# Altium PCB stm32f767igt6.PcbDoc
Units mil, origin at the board's own origin, x right, y up, seen from the top; angles counter-clockwise.
Board outline 4635 x 2345 mil, 4 copper layers (Top Layer, VCC, GND, Bottom Layer); 163 components, 205 nets, 815 pads, 15 vias.
Unrouted connection lines stored in the file: 270.
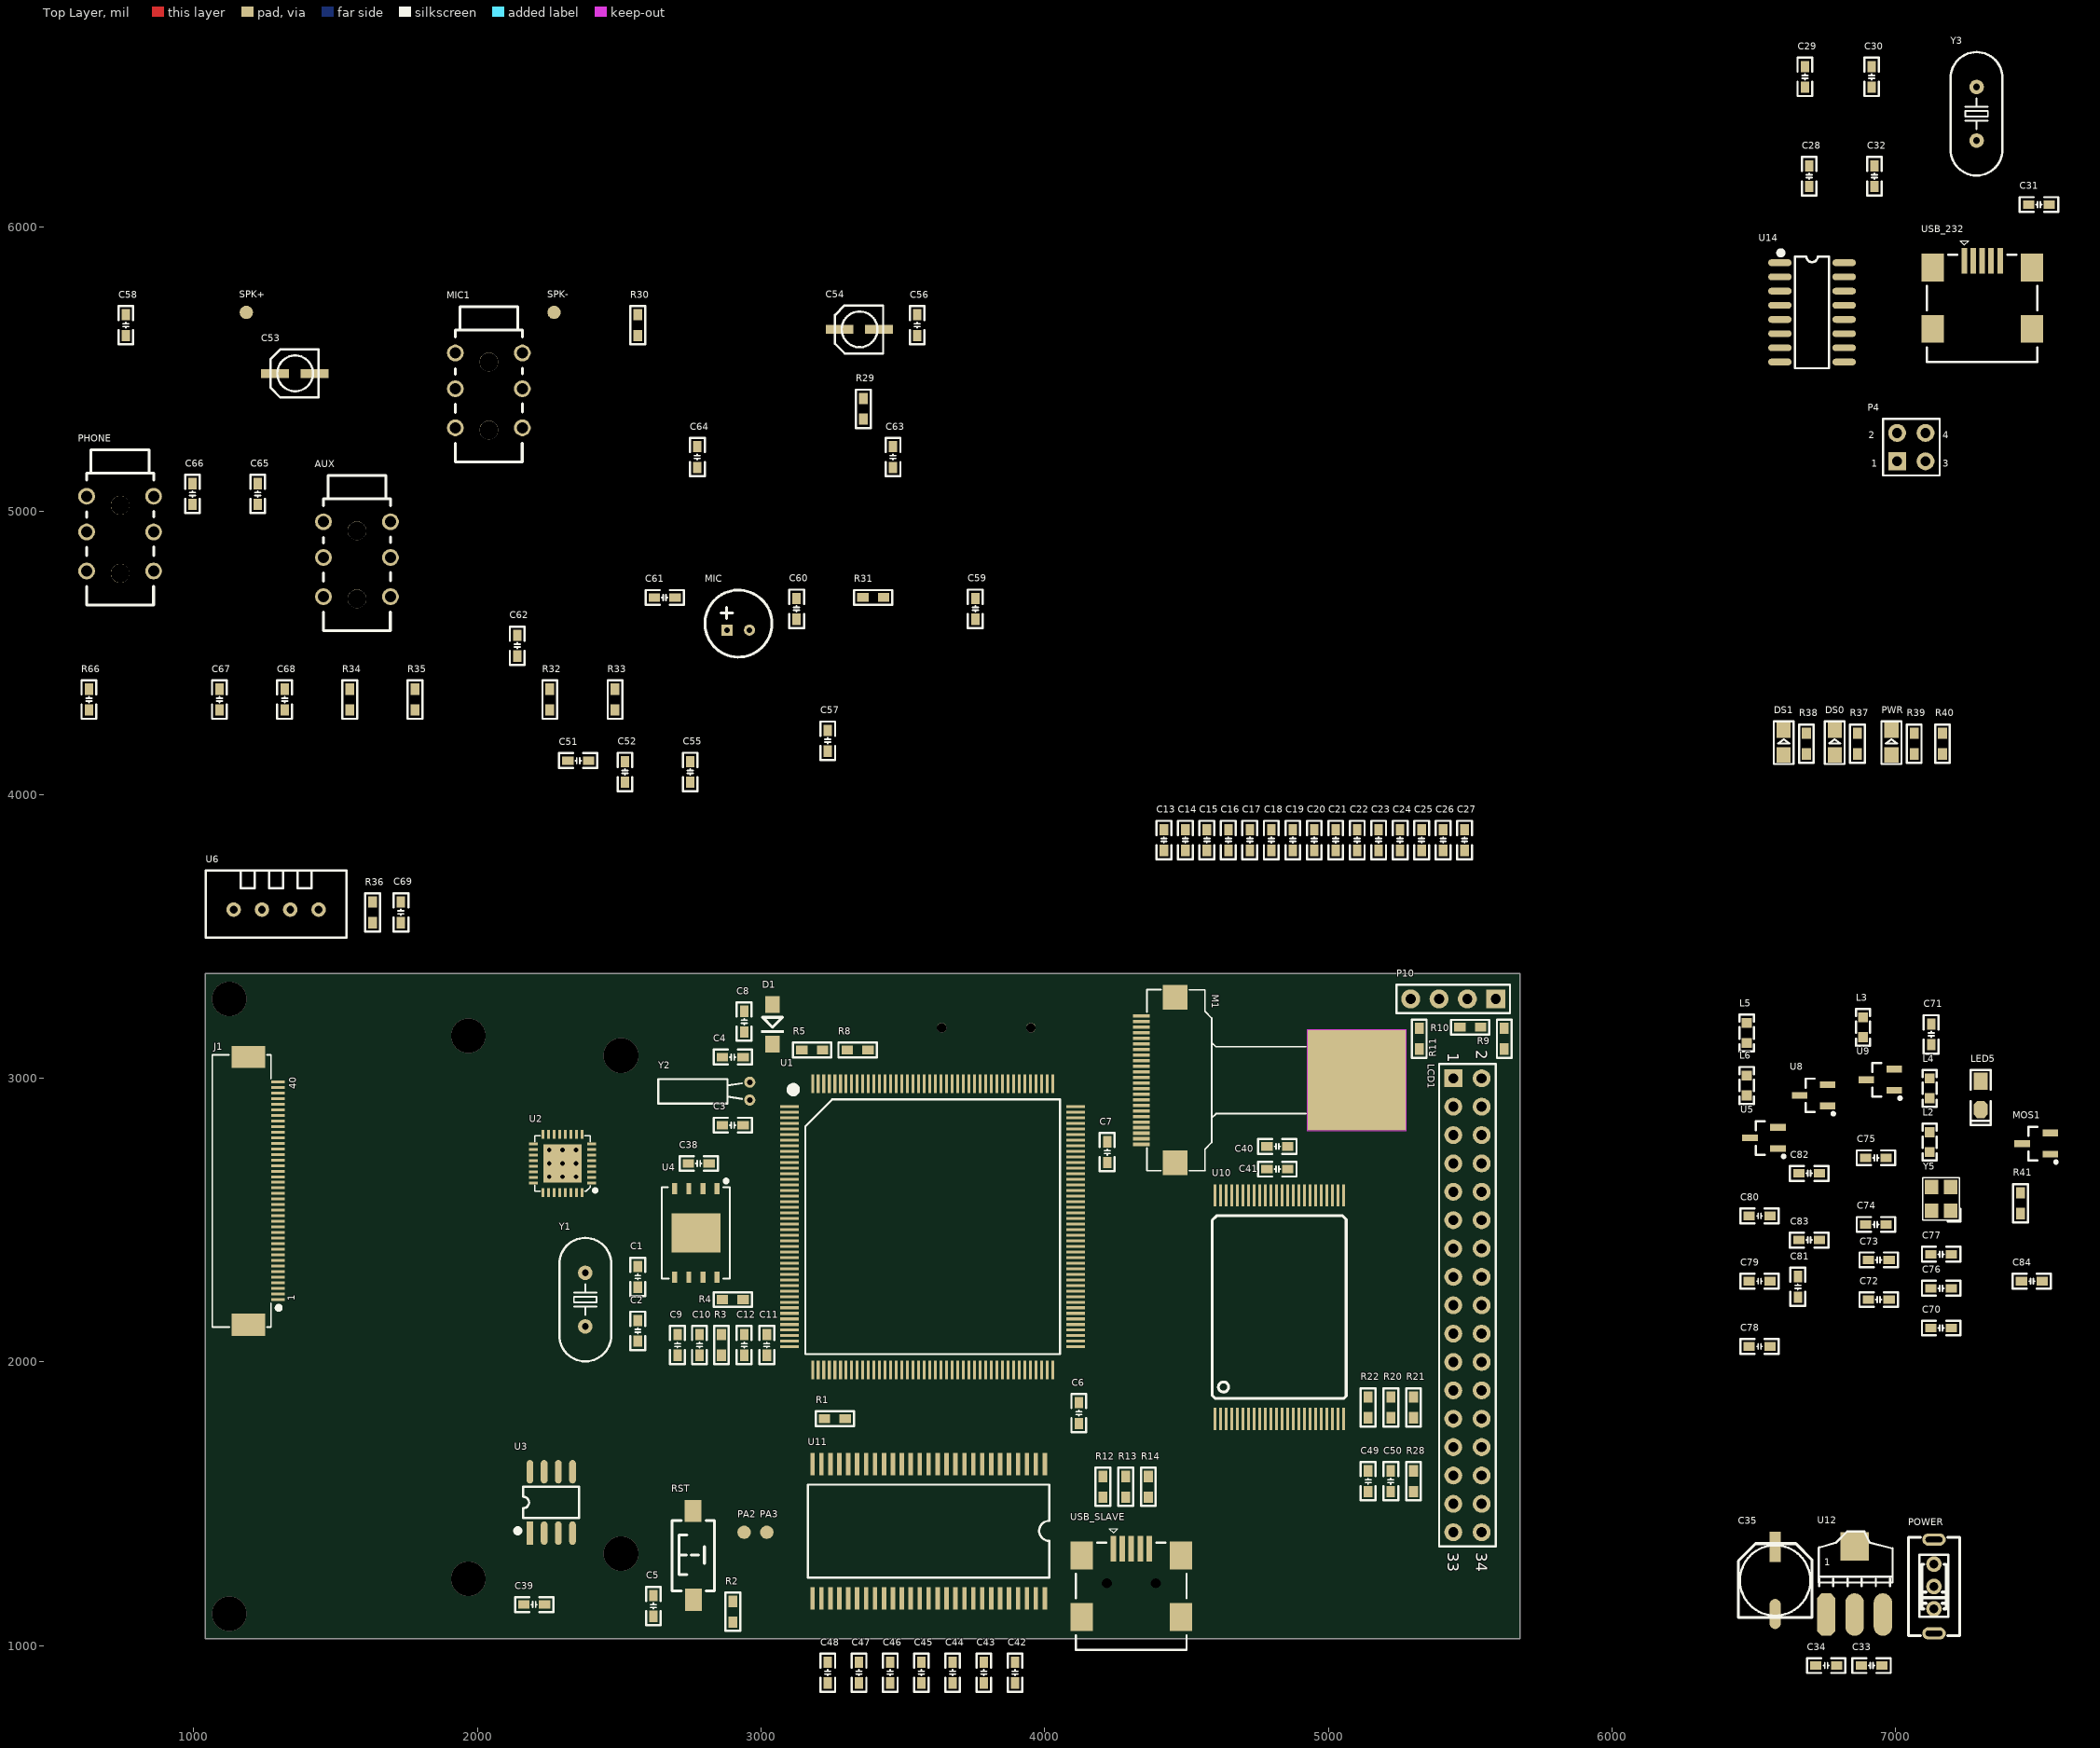
[diagram p0: Top Layer view]
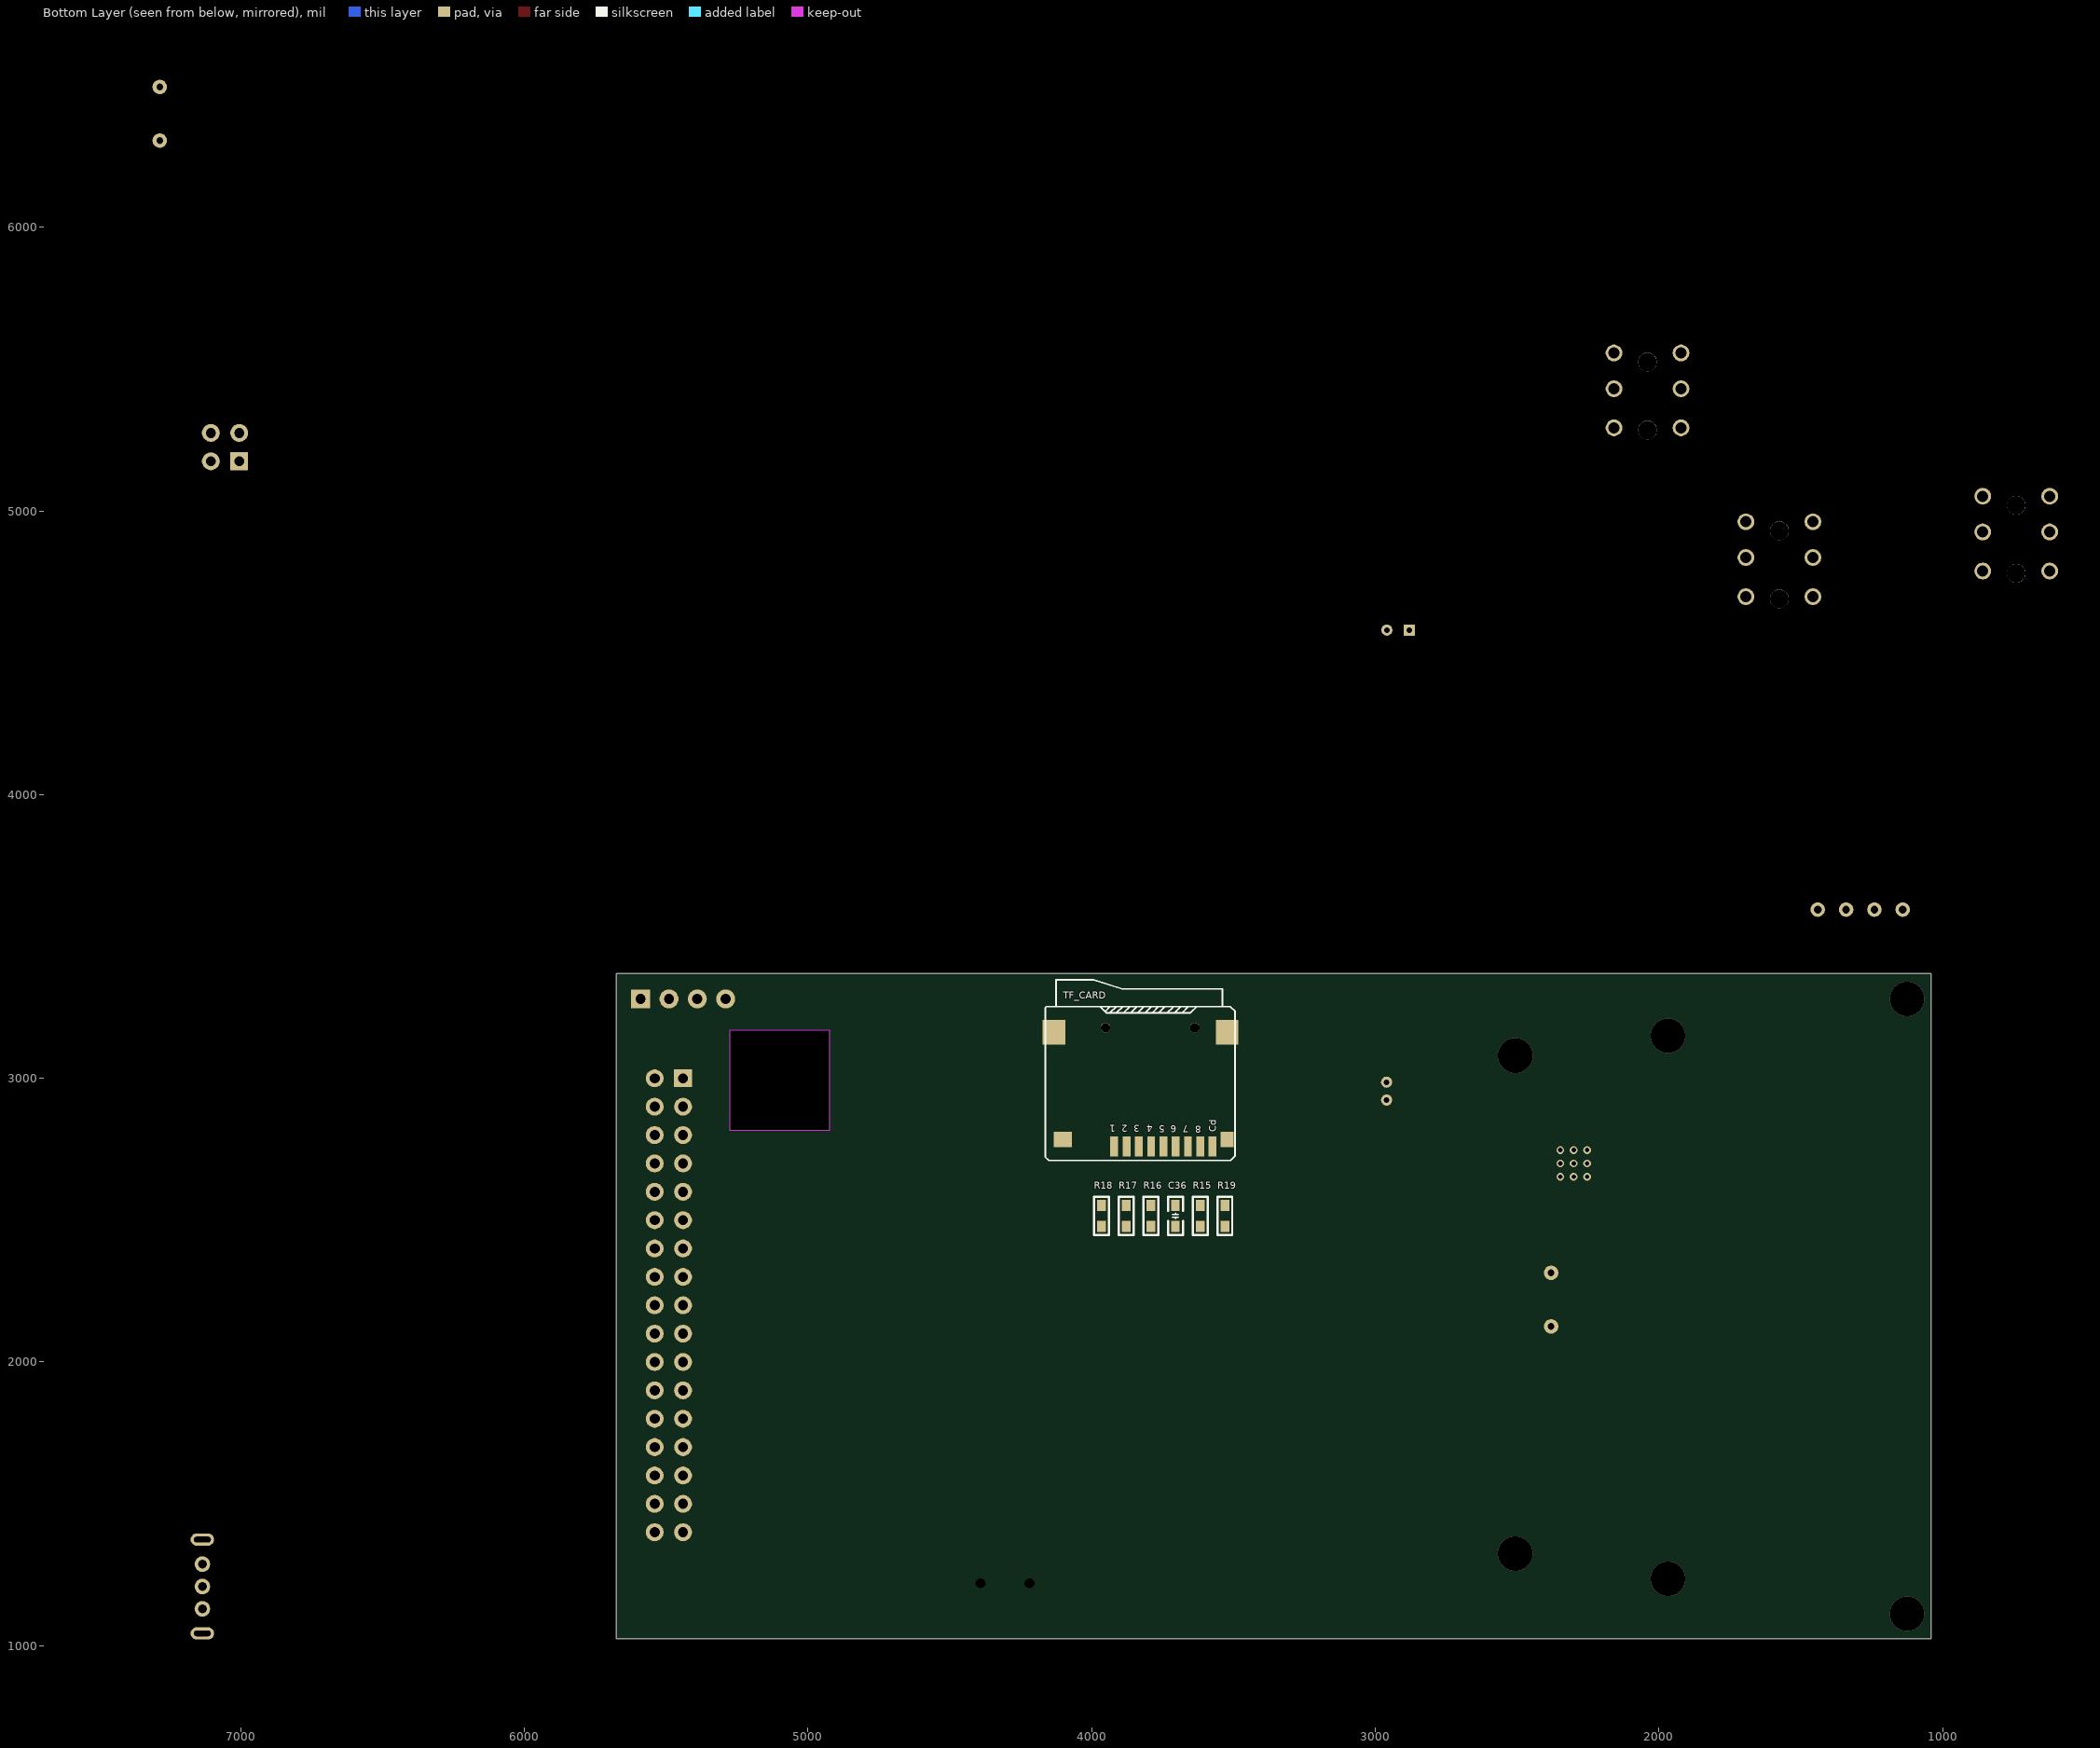
[diagram p1: Bottom Layer view, seen from below]

## Layer stack, top to bottom
Top Layer: signal copper 1.4
Dielectric: core 12.6, FR-4, Dk 4.8
VCC: signal copper 1.4
Dielectric: prepreg 12.6, FR-4, Dk 4.8
GND: signal copper 1.4
Dielectric: core 12.6, FR-4, Dk 4.8
Bottom Layer: signal copper 1.4

## Board outline
1040,3370 1040,1025 5675,1025 5675,3370
cut-out: 4925,3170 4925,2815 5275,2815 5275,3170

## Design rules (kind name [scope] priority, off if disabled: settings)
Clearance [All] p1: gap=6
ComponentClearance [All] p1 off: gap=10 collisioncheckmode=3 verticalgap=10 showdistances=FALSE
HoleToHoleClearance [All] p1: gap=6 allowstackedmicrovias=TRUE
MinimumSolderMaskSliver [All] p1: minsoldermaskwidth=0
PolygonConnect [All] p1: connectstyle=Relief reliefconductorwidth=10 reliefentries=4 polygonreliefangle="90 Angle"
RoutingVias [All] p1: holewidth=28 width=50 viastyle="Through Hole" minholewidth=28 minwidth=50 maxholewidth=28 maxwidth=50
SilkToSilkClearance [All] p1: silktosilkclearance=2
SilkscreenOverComponentPads [All] p1: minsilkscreentomaskgap=0
SolderMaskExpansion [All] p1: expansion=4
TestPointUsage [All] p1: valid=0 allowmultiple=FALSE
Testpoint [All] p1: side=15 testpointundercomponent=TRUE minsize=40 maxsize=100 preferedsize=60 minholesize=0 maxholesize=40 preferedholesize=32 testpointgrid=1 style=1023 order=0123456789
Width [All] p1: maxlimit=10 minlimit=10 preferedwidth=10
19 further rules are at their usual default settings.

## Components (designator, comment, footprint, x,y, rotation, side; value= is the part's Value field where it differs from the comment)
AUX "AUX" PHONE_ST 1575,4830 r90 top
C1 "22pF" "C 0603_M" 2565,2300 r90 top
C2 "22pF" "C 0603_M" 2565,2110 r90 top
C3 "6pF" "C 0603_M" 2900,2835 r0 top
C4 "6pF" "C 0603_M" 2900,3075 r0 top
C5 "104" "C 0603_M" 2620,1140 r90 top
C6 "225" "C 0603_M" 4120,1820 r90 top
C7 "225" "C 0603_M" 4220,2740 r90 top
C8 "104" "C 0603_M" 2940,3200 r270 top
C9 "104" "C 0603_M" 2705,2060 r90 top
C10 "10uF" "C 0603_M" 2782.5,2060 r90 top
C11 "104" "C 0603_M" 3020,2060 r270 top
C12 "10uF" "C 0603_M" 2940,2060 r270 top
C13 "104" "C 0603_M" 4420,3840 r90 top
C14 "104" "C 0603_M" 4495.71,3840 r90 top
C15 "104" "C 0603_M" 4571.43,3840 r90 top
C16 "104" "C 0603_M" 4647.14,3840 r90 top
C17 "104" "C 0603_M" 4722.86,3840 r90 top
C18 "104" "C 0603_M" 4798.57,3840 r90 top
C19 "104" "C 0603_M" 4874.29,3840 r90 top
C20 "104" "C 0603_M" 4950,3840 r90 top
C21 "104" "C 0603_M" 5025.71,3840 r90 top
C22 "104" "C 0603_M" 5101.43,3840 r90 top
C23 "104" "C 0603_M" 5177.14,3840 r90 top
C24 "104" "C 0603_M" 5252.86,3840 r90 top
C25 "104" "C 0603_M" 5328.57,3840 r90 top
C26 "104" "C 0603_M" 5404.28,3840 r90 top
C27 "104" "C 0603_M" 5480,3840 r90 top
C28 "104" "C 0603_M" 6695,6180 r90 top
C29 "22" "C 0603_M" 6680,6530 r90 top
C30 "22" "C 0603_M" 6915,6530 r90 top
C31 "10uF" "C 0603_M" 7505,6080 r0 top
C32 "104" "C 0603_M" 6925,6180 r90 top
C33 "104" "C 0603_M" 6915,930 r0 top
C34 "104" "C 0603_M" 6755,930 r0 top
C35 "220uF" "CT 6*6 - C" 6575,1230 r90 top
C36 "104" "C 0603_M" 3704,2515 r270 bottom
C38 "104" "C 0603_M" 2780,2700 r180 top
C39 "104" "C 0603_M" 2200,1145 r180 top
C40 "104" "C 0603_M" 4820,2760 r180 top
C41 "104" "C 0603_M" 4820,2680 r180 top
C42 "104" "C 0603_M" 3895,905 r270 top
C43 "104" "C 0603_M" 3785,905 r270 top
C44 "104" "C 0603_M" 3675,905 r270 top
C45 "104" "C 0603_M" 3565,905 r270 top
C46 "104" "C 0603_M" 3455,905 r270 top
C47 "104" "C 0603_M" 3345,905 r270 top
C48 "104" "C 0603_M" 3235,905 r270 top
C49 "104" "C 0603_M" 5140,1580 r90 top
C50 "104" "C 0603_M" 5220,1580 r270 top
C51 "104" "C 0603_M" 2355,4120 r0 top
C52 "10uF" "C 0603_M" 2520,4080 r90 top
C53 "220uF" cc4*5.4 1440,5400 r0 top
C54 "220uF" cc4*5.4 3430,5555 r0 top
C55 "104" "C 0603_M" 2750,4080 r90 top
C56 "10uF" "C 0603_M" 3550,5655 r90 top
C57 "104" "C 0603_M" 3235,4190 r90 top
C58 "10uF" "C 0603_M" 760,5655 r90 top
C59 "1uF" "C 0603_M" 3755,4655 r90 top
C60 "1uF" "C 0603_M" 3125,4655 r90 top
C61 "1uF" "C 0603_M" 2660,4695 r0 top
C62 "1uF" "C 0603_M" 2140,4525 r90 top
C63 "1uF" "C 0603_M" 3465,5190 r90 top
C64 "1uF" "C 0603_M" 2775,5190 r90 top
C65 "104" "C 0603_M" 1225,5060 r90 top
C66 "104" "C 0603_M" 995,5060 r90 top
C67 "10uF" "C 0603_M" 1090,4335 r90 top
C68 "10uF" "C 0603_M" 1320,4335 r90 top
C69 "104" "C 0603_M" 1730,3585 r90 top
C70 "104" "C 0603_M" 7160,2120 r180 top
C71 "1uF" "C 0603_M" 7125,3155 r90 top
C72 "10uF" "C 0603_M" 6940,2220 r180 top
C73 "104" "C 0603_M" 6940,2360 r180 top
C74 "10uF" "C 0603_M" 6930,2485 r180 top
C75 "104" "C 0603_M" 6930,2720 r180 top
C76 "10uF" "C 0603_M" 7160,2260 r180 top
C77 "104" "C 0603_M" 7160,2380 r180 top
C78 "1uF" "C 0603_M" 6520,2055 r180 top
C79 "10uF" "C 0603_M" 6520,2285 r180 top
C80 "104" "C 0603_M" 6520,2515 r180 top
C81 "1uF" "C 0603_M" 6655,2265 r90 top
C82 "104" "C 0603_M" 6695,2665 r180 top
C83 "10uF" "C 0603_M" 6695,2430 r180 top
C84 "1uF" "C 0603_M" 7480,2285 r180 top
D1 "1N4148" DIODE_SOP 3040,3260 r270 top
DS0 "LED1" SMDLED 6785,4140 r90 top
DS1 "LED1" SMDLED 6605,4140 r90 top
J1 "RGBLCD" FPC-TOP40 1300,2220 r90 top
L2 "3.3uH" "L 0603" 7120,2775 r90 top
L3 "3.3uH" "L 0603" 6885,3180 r90 top
L4 "3.3uH" "L 0603" 7120,2965 r90 top
L5 "3.3uH" "L 0603" 6475,3160 r90 top
L6 "FB-600R" "L 0603" 6475,2975 r90 top
LCD1 "TFT_LCD1" HDR2.54-LI-2x17P 5490.24,2200.08 r270 top locked
LED5 "LED" "LED 0805R" 7300,2940 r270 top
M1 "OV5640" OV5640-24 4340,3220 r270 top locked
MIC "MIC" MIC-6022 2880,4580 r0 top
MIC1 "MIC1" PHONE_ST 2040,5425 r90 top
MOS1 "SI2302" SOT23-3M 7545,2770 r90 top
P4 "USART1" HDR2.54-LI-2x2P 7055,5225 r0 top
P10 "Header 4" HDR2.54-LI-4P 5440,3280 r180 top
PA2 "TEST POINT" TP-1.5 2940,1400 r270 top
PA3 "TEST POINT" TP-1.5 3020,1400 r270 top
PHONE "PHONE" PHONE_ST 740,4920 r90 top
POWER "BUTTON_DIP3" BTN8.8*4.6 7135,1130 r90 top
PWR "SYS" SMDLED 6985,4140 r90 top
R1 "10K" "R 0603_M" 3260,1800 r0 top
R2 "10K" "R 0603_M" 2900,1120 r90 top
R3 "10R" "R 0603_M" 2860,2060 r90 top
R4 "10R" "R 0603_M" 2900,2220 r180 top
R5 "0R" "R 0603_M" 3180,3100 r180 top
R8 "10K" "R 0603_M" 3340,3100 r180 top
R9 "10K" "R 0603_M" 5620,3140 r90 top
R10 "10K" "R 0603_M" 5500,3180 r0 top
R11 "10K" "R 0603_M" 5320,3140 r270 top
R12 "10R" "R 0603_M" 4205,1560 r90 top
R13 "1.5K" "R 0603_M" 4285,1560 r270 top
R14 "10R" "R 0603_M" 4365,1560 r270 top
R15 "47K" "R 0603_M" 3617,2515 r270 bottom
R16 "47K" "R 0603_M" 3791,2515 r270 bottom
R17 "47K" "R 0603_M" 3878,2515 r270 bottom
R18 "47K" "R 0603_M" 3965,2515 r270 bottom
R19 "47K" "R 0603_M" 3530,2515 r270 bottom
R20 "0R" "R 0603_M" 5220,1840 r90 top
R21 "10K" "R 0603_M" 5300,1840 r270 top
R22 "10K" "R 0603_M" 5140,1840 r90 top
R28 "4.7K" "R 0603_M" 5300,1580 r270 top
R29 "0R" "R 0603_M" 3360,5360 r90 top
R30 "10R" "R 0603_M" 2565,5655 r90 top
R31 "0R" "R 0603_M" 3395,4695 r0 top
R32 "10K" "R 0603_M" 2255,4335 r90 top
R33 "680R" "R 0603_M" 2485,4335 r90 top
R34 "47K" "R 0603_M" 1550,4335 r90 top
R35 "0R" "R 0603_M" 1780,4335 r90 top
R36 "4.7K" "R 0603_M" 1630,3585 r270 top
R37 "510R" "R 0603_M" 6865,4180 r90 top
R38 "510R" "R 0603_M" 6685,4180 r90 top
R39 "510R" "R 0603_M" 7065,4180 r90 top
R40 "100K" "R 0603_M" 7165,4180 r90 top
R41 "10K" "R 0603_M" 7440,2560 r90 top
R66 "221" "C 0603_M" 630,4335 r90 top
RST "KEY_M" "TSW SMD-3*6*2.5" 2760,1320 r90 top
SPK+ "SPK" TP-1.5 1185,5700 r90 top
SPK- "SPK" TP-1.5 2270,5700 r90 top
TF_CARD "SD-MICRO-TF" SD-MICRO-TF 3920,2760 r0 bottom locked
U1 "STM32F767IGT6" LQFP176 3100,2900 r0 top locked
U2 "WM8978" qfn32 2300,2700 r180 top
U3 "24C02" SOP8_M 2260,1505 r90 top
U4 "W25Q256" WSON8 2770,2455 r270 top
U5 "XC6206P152MR" SOT23-3M 6585,2790 r90 top
U6 "DHT11&DS18B20" DHT11 1440,3595 r180 top
U8 "XC6206P152MR" SOT23-3M 6760,2940 r90 top
U9 "XC6206P152MR" SOT23-3M 6995,2995 r90 top
U10 "MT29F4G08" TSOP48 4600,1800 r90 top
U11 "W9825G6KH-6" TSOP54 4000,1640 r270 top
U12 "AMS1117-3.3" AMS1117 6755,1110 r0 top
U14 "CH340G" SOP16_M 6705,5700 r0 top
USB_232 "USB" USB-MINI-A 7305,5760 r0 top
USB_SLAVE "USB" USB-MINI-A 4305,1220 r0 top
Y1 "25MHz" "OSC HC-49S" 2380,2220 r90 top
Y2 "32.768K" OSC-2x6-WI-A 2960,2955 r90 top
Y3 "12MHz" "OSC HC-49S" 7285,6400 r90 top
Y5 "24.000Mhz" "OSC 3225-4P" 7160,2575 r90 top

## Footprints (in the part's own frame and the unit in brackets; to place one, negate y for a bottom-side part, rotate by r counter-clockwise, add the part's x,y. Pads: shape width x height; smd on the part's side, far side on the other; paste and mask are expansions set on the pad)
AMS1117 [mil]
  oct 65x150 smd: 1(0.03,-0.06)
  oval 65x150 smd: 2(100.03,-0.06) 3(200.03,-0.06)
  rect 100x100 smd: 4(100.03,239.94)
  silkscreen extent -26,100 234,293
BTN8.8*4.6 [mm]
  round 1.4 hole 0.8: 1(0,0) 2(2,0) 3(4,0)
  oval 1.1x2.1 hole 0.5 slot 1.5 at 90 deg: 4(-2.2,0) 5(6.2,0)
  silkscreen extent -2.4,-2.3 6.4,2.3, body extent -2.4,-2.3 6.4,2.27, height 6.5
"C 0603_M" [mil] "无极性贴片电容"
  rect 40x30 smd: 1(-36.5,0) 2(36.5,0)
  silkscreen extent -68,-26 68,26, body extent -31,-16 31,16, height 32
cc4*5.4 [mm]
  rect 2.5x0.8 smd: 1(-3.9,2.15) 2(-0.381,2.15)
  silkscreen extent -4.3,0 0,4.3
"CT 6*6 - C" [mm] "直径6mm，高6mm"
  rect 2.7x1 smd: 1(3,0)
  oval 2.7x1 smd: 2(-3,0)
  silkscreen extent -3.3,-3.3 3.3,3.3, body extent -3.5,-3.15 3.5,3.15, height 6
DHT11 [mm]
  round 1.3 hole 0.7: 1(0,0) 2(2.54,0) 3(5.08,0) 4(7.62,0)
  silkscreen extent -2.5,-3.5 10.12,2.5
DIODE_SOP [mm]
  rect 1.5x1.3 smd: 1(0,0) 2(3.556,0)
  silkscreen extent 1.14,-1.02 2.56,1.02
FPC-TOP40 [mm]
  rect 0.25x1.2 smd: 1(0,0.102) 2(0.5,0.102) 3(1,0.102) 4(1.5,0.102) 5(2,0.102) 6(2.5,0.102) 7(3,0.102) 8(3.5,0.102) 9(4,0.102) 10(4.5,0.102) 11(5,0.102) 12(5.5,0.102) 13(6,0.102) 14(6.5,0.102) 15(7,0.102) 16(7.5,0.102) 17(8,0.102) 18(8.5,0.102) 19(9,0.102) 20(9.5,0.102) 21(10,0.102) 22(10.5,0.102) 23(11,0.102) 24(11.5,0.102) 25(12,0.102) 26(12.5,0.102) 27(13,0.102) 28(13.5,0.102) 29(14,0.102) 30(14.5,0.102) 31(15,0.102) 32(15.5,0.102) 33(16,0.102) 34(16.5,0.102) 35(17,0.102) 36(17.5,0.102) 37(18,0.102) 38(18.5,0.102) 39(19,0.102) 40(19.5,0.102)
  rect 2x3 smd: A(-2.25,2.754) B(21.725,2.754)
  silkscreen extent -2.45,-0.15 21.92,5.97
HDR2.54-LI-2x2P [mm] "双排排针，2x2脚"
  rect 1.6x1.6 hole 0.9: 1(-1.27,-1.27)
  round 1.6 hole 0.9: 2(-1.27,1.27) 3(1.27,-1.27) 4(1.27,1.27)
  silkscreen extent -2.54,-2.54 2.54,2.54, body extent -2.54,-2.54 2.54,2.54, height 8.5
HDR2.54-LI-2x17P [mm] "双排排针，17x2脚"
  rect 1.6x1.6 hole 0.9: 1(-20.32,-1.27)
  round 1.6 hole 0.9: 2(-20.32,1.27) 3(-17.78,-1.27) 4(-17.78,1.27) 5(-15.24,-1.27) 6(-15.24,1.27) 7(-12.7,-1.27) 8(-12.7,1.27) 9(-10.16,-1.27) 10(-10.16,1.27) 11(-7.62,-1.27) 12(-7.62,1.27) 13(-5.08,-1.27) 14(-5.08,1.27) 15(-2.54,-1.27) 16(-2.54,1.27) 17(0,-1.27) 18(0,1.27) 19(2.54,-1.27) 20(2.54,1.27) 21(5.08,-1.27) 22(5.08,1.27) 23(7.62,-1.27) 24(7.62,1.27) 25(10.16,-1.27) 26(10.16,1.27) 27(12.7,-1.27) 28(12.7,1.27) 29(15.24,-1.27) 30(15.24,1.27) 31(17.78,-1.27) 32(17.78,1.27) 33(20.32,-1.27) 34(20.32,1.27)
  silkscreen extent -21.59,-2.54 21.59,2.54, body extent -21.59,-2.54 21.59,2.54, height 8.5
HDR2.54-LI-4P [mm] "排针，4脚"
  rect 1.7x1.7 hole 0.9: 1(-3.81,0)
  round 1.7 hole 0.9: 2(-1.27,0) 3(1.27,0) 4(3.81,0)
  silkscreen extent -5.08,-1.27 5.08,1.27, body extent -5.08,-1.27 5.08,1.27, height 8.5
"L 0603" [mil] "小功率贴片电感"
  rect 35x35 smd: 1(-35,0) 2(35,0)
  silkscreen extent -65,-25 65,25, body extent -31,-16 31,16, height 31
"LED 0805R" [mil] "红色0805LED"
  rect 60x50 smd: 1(-50,0)
  oct 60x50 smd: 2(50,0)
  silkscreen extent -90,-35 105,35, body extent -39,-25 39,25, height 32
LQFP176 [mm]
  rect 1.65x0.254 smd: 1(0,0) 2(0,-0.5) 3(0,-1) 4(0,-1.5) 5(0,-2) 6(0,-2.5) 7(0,-3) 8(0,-3.5) 9(0,-4) 10(0,-4.5) 11(0,-5) 12(0,-5.5) 13(0,-6) 14(0,-6.5) 15(0,-7) 16(0,-7.5) 17(0,-8) 18(0,-8.5) 19(0,-9) 20(0,-9.5) 21(0,-10) 22(0,-10.5) 23(0,-11) 24(0,-11.5) 25(0,-12) 26(0,-12.5) 27(0,-13) 28(0,-13.5) 29(0,-14) 30(0,-14.5) 31(0,-15) 32(0,-15.5) 33(0,-16) 34(0,-16.5) 35(0,-17) 36(0,-17.5) 37(0,-18) 38(0,-18.5) 39(0,-19) 40(0,-19.5) 41(0,-20) 42(0,-20.5) 43(0,-21) 44(0,-21.5) 89(25.631,-21.5) 90(25.631,-21) 91(25.631,-20.5) 92(25.631,-20) 93(25.631,-19.5) 94(25.631,-19) 95(25.631,-18.5) 96(25.631,-18) 97(25.631,-17.5) 98(25.631,-17) 99(25.631,-16.5) 100(25.631,-16) 101(25.631,-15.5) 102(25.631,-15) 103(25.631,-14.5) 104(25.631,-14) 105(25.631,-13.5) 106(25.631,-13) 107(25.631,-12.5) 108(25.631,-12) 109(25.631,-11.5) 110(25.631,-11) 111(25.631,-10.5) 112(25.631,-10) 113(25.631,-9.5) 114(25.631,-9) 115(25.631,-8.5) 116(25.631,-8) 117(25.631,-7.5) 118(25.631,-7) 119(25.631,-6.5) 120(25.631,-6) 121(25.631,-5.5) 122(25.631,-5) 123(25.631,-4.5) 124(25.631,-4) 125(25.631,-3.5) 126(25.631,-3) 127(25.631,-2.5) 128(25.631,-2) 129(25.631,-1.5) 130(25.631,-1) 131(25.631,-0.5) 132(25.631,0)
  rect 0.254x1.65 smd: 45(2.065,-23.566) 46(2.566,-23.566) 47(3.066,-23.566) 48(3.565,-23.566) 49(4.066,-23.566) 50(4.565,-23.566) 51(5.066,-23.566) 52(5.565,-23.566) 53(6.066,-23.566) 54(6.565,-23.566) 55(7.066,-23.566) 56(7.565,-23.566) 57(8.066,-23.566) 58(8.565,-23.566) 59(9.066,-23.566) 60(9.565,-23.566) 61(10.066,-23.566) 62(10.565,-23.566) 63(11.066,-23.566) 64(11.565,-23.566) 65(12.066,-23.566) 66(12.565,-23.566) 67(13.066,-23.566) 68(13.565,-23.566) 69(14.066,-23.566) 70(14.565,-23.566) 71(15.066,-23.566) 72(15.566,-23.566) 73(16.066,-23.566) 74(16.566,-23.566) 75(17.065,-23.566) 76(17.566,-23.566) 77(18.065,-23.566) 78(18.566,-23.566) 79(19.065,-23.566) 80(19.566,-23.566) 81(20.065,-23.566) 82(20.566,-23.566) 83(21.065,-23.566) 84(21.566,-23.566) 85(22.065,-23.566) 86(22.566,-23.566) 87(23.065,-23.566) 88(23.566,-23.566) 133(23.566,2.065) 134(23.065,2.065) 135(22.566,2.065) 136(22.065,2.065) 137(21.566,2.065) 138(21.065,2.065) 139(20.566,2.065) 140(20.065,2.065) 141(19.566,2.065) 142(19.065,2.065) 143(18.566,2.065) 144(18.065,2.065) 145(17.566,2.065) 146(17.065,2.065) 147(16.566,2.065) 148(16.066,2.065) 149(15.566,2.065) 150(15.066,2.065) 151(14.565,2.065) 152(14.066,2.065) 153(13.565,2.065) 154(13.066,2.065) 155(12.565,2.065) 156(12.066,2.065) 157(11.565,2.065) 158(11.066,2.065) 159(10.565,2.065) 160(10.066,2.065) 161(9.565,2.065) 162(9.066,2.065) 163(8.565,2.065) 164(8.066,2.065) 165(7.565,2.065) 166(7.066,2.065) 167(6.565,2.065) 168(6.066,2.065) 169(5.565,2.065) 170(5.066,2.065) 171(4.565,2.065) 172(4.066,2.065) 173(3.565,2.065) 174(3.066,2.065) 175(2.566,2.065) 176(2.065,2.065)
  silkscreen extent 0.04,-22.15 24.22,1.82
MIC-6022 [mm]
  rect 1x1 hole 0.5: 1(0,0)
  round 1 hole 0.5: 2(2,0)
  silkscreen extent -1.98,-2.41 4.01,3.58
"OSC 3225-4P" [mm] "3.2*2.5*0.7mm(长宽高)"
  rect 1.3x1.2 smd: 1(-1.05,-0.85) 2(1.05,-0.85) 3(1.05,0.85) 4(-1.05,0.85)
  silkscreen extent -2.03,-1.75 1.91,1.65, body extent -1.6,-1.25 1.6,1.25, height 0.7
"OSC HC-49S" [mm]
  round 1.3 hole 0.6: 1(-2.4,0) 2(2.4,0)
  silkscreen extent -5.52,-2.32 5.52,2.33, body extent -5.52,-2.32 5.53,2.33, height 4.13
OSC-2x6-WI-A [mm] "脚距：1.6mm"
  round 1 hole 0.5: 1(0.8,0) 2(-0.8,0)
  silkscreen extent -1.1,0.7 1.07,8.2, body extent -1,-0.16 1,8, height 2.05
OV5640-24 [mm]
  rect 0.3x1.5 smd: 1(0,0) 2(0.5,0) 3(1,0) 4(1.5,0) 5(2,0) 6(2.5,0) 7(3,0) 8(3.5,0) 9(4,0) 10(4.5,0) 11(5,0) 12(5.5,0) 13(6,0) 14(6.5,0) 15(7,0) 16(7.5,0) 17(8,0) 18(8.5,0) 19(9,0) 20(9.5,0) 21(10,0) 22(10.5,0) 23(11,0) 24(11.5,0)
  rect 2.2x2.2 smd: 25(13.151,3.023) 26(-1.657,3.023)
  rect 9x8.8 smd: 27(5.753,19.317)
  silkscreen extent -2.36,0.51 13.85,14.73
PHONE_ST [mm]
  round 1.676 hole 1.676: 0(-3.556,0) 0(2.54,0)
  round 1.5 hole 1: 1(-3.35,-3) 1(-3.35,3) 2(0.15,3) 2(0.15,-3) 3(3.35,-3) 3(3.35,3)
  silkscreen extent -6.39,-3.01 7.49,3
qfn32 [mm]
  rect 0.8x0.25 smd: 1(-2.601,1.75) 2(-2.601,1.25) 3(-2.601,0.75) 4(-2.601,0.25) 5(-2.601,-0.25) 6(-2.601,-0.75) 7(-2.601,-1.25) 8(-2.601,-1.75) 17(2.601,-1.75) 18(2.601,-1.25) 19(2.601,-0.75) 20(2.601,-0.25) 21(2.601,0.25) 22(2.601,0.75) 23(2.601,1.25) 24(2.601,1.75)
  rect 0.25x0.8 smd: 9(-1.75,-2.601) 10(-1.25,-2.601) 11(-0.75,-2.601) 12(-0.25,-2.601) 13(0.25,-2.601) 14(0.75,-2.601) 15(1.25,-2.601) 16(1.75,-2.601) 25(1.75,2.601) 26(1.25,2.601) 27(0.75,2.601) 28(0.25,2.601) 29(-0.25,2.601) 30(-0.75,2.601) 31(-1.25,2.601) 32(-1.75,2.601)
  rect 3.4x3.4 smd: 33(0,0)
  silkscreen extent -3.06,-2.49 2.49,2.55
"R 0603_M" [mil] "1/10W贴片电阻"
  rect 40x31.5 smd: 1(-36.5,0) 2(36.5,0)
  silkscreen extent -68,-26 68,26, body extent -31,-16 32,16, height 16
SD-MICRO-TF [mm]
  rect 2.032x2.2 smd: 0(-10.1,-10.227) 0(5.4,-10.227)
  rect 1.2x1.4 smd: 0(-10.1,-0.627)
  round 0.85 hole 0.85 unplated: 0(-7.2,-10.627) 0(0.8,-10.627)
  rect 1.6x1.4 smd: 0(4.6,-0.627)
  rect 0.7x1.8 smd: 1(0,0) 2(-1.1,0) 3(-2.2,0) 4(-3.3,0) 5(-4.4,0) 6(-5.5,0) 7(-6.6,0) 8(-7.7,0) 9(-8.8,0)
  silkscreen extent -10.82,-14.91 6.17,1.25, body extent -10.37,-14.85 5.9,0.34, height 1.8
SMDLED [mm]
  rect 1.4x1.27 smd: 1(0.001,-0.002) 2(2.211,-0.002)
  silkscreen extent -0.8,-0.89 3.01,0.89
SOP8_M [mm] "5*6*1.8mm（长宽高）"
  rect 2.1x0.6 smd: 1(-2.75,1.905)
  oval 2.1x0.6 smd: 2(-2.75,0.635) 3(-2.75,-0.635) 4(-2.75,-1.905) 5(2.75,-1.905) 6(2.75,-0.635) 7(2.75,0.635) 8(2.75,1.905)
  silkscreen extent -2.69,-2.5 1.4,3.15, body extent -3,-2.5 3,2.5, height 1.9
SOP16_M [mm] "10.3*6.2*1.8mm（长宽高）"
  oval 2.1x0.6 smd: 1(-2.875,4.445) 2(-2.875,3.175) 3(-2.875,1.905) 4(-2.875,0.635) 5(-2.875,-0.635) 6(-2.875,-1.905) 7(-2.875,-3.175) 8(-2.875,-4.445) 9(2.875,-4.445) 10(2.875,-3.175) 11(2.875,-1.905) 12(2.875,-0.635) 13(2.875,0.635) 14(2.875,1.905) 15(2.875,3.175) 16(2.875,4.445)
  silkscreen extent -2.95,-5 1.52,5.49, body extent -3,-5 3,5, height 1.9
SOT23-3M [mm] "3x1.3x1mm(长宽高)"
  rect 0.6x1.4 smd: 1(-0.95,0) 2(0.95,0) 3(0,2.514)
  silkscreen extent -1.78,-0.63 1.5,1.97, body extent -1.5,0.07 1.5,2.47, height 1.05
TP-1.5 [mm]
  round 1.2 smd: 1(0,0)
TSOP48 [mm]
  rect 2x0.25 smd: 1(0,0) 2(0,-0.5) 3(0,-1) 4(0,-1.5) 5(0,-2) 6(0,-2.5) 7(0,-3) 8(0,-3.5) 9(0,-4) 10(0,-4.5) 11(0,-5) 12(0,-5.5) 13(0,-6) 14(0,-6.5) 15(0,-7) 16(0,-7.5) 17(0,-8) 18(0,-8.5) 19(0,-9) 20(0,-9.5) 21(0,-10) 22(0,-10.5) 23(0,-11) 24(0,-11.5) 25(20,-11.5) 26(20,-11) 27(20,-10.5) 28(20,-10) 29(20,-9.5) 30(20,-9) 31(20,-8.5) 32(20,-8) 33(20,-7.5) 34(20,-7) 35(20,-6.5) 36(20,-6) 37(20,-5.5) 38(20,-5) 39(20,-4.5) 40(20,-4) 41(20,-3.5) 42(20,-3) 43(20,-2.5) 44(20,-2) 45(20,-1.5) 46(20,-1) 47(20,-0.5) 48(20,0)
  silkscreen extent 1.83,-11.75 18.17,0.25
TSOP54 [mm]
  rect 2x0.4 smd: 1(0,0) 2(0,-0.8) 3(0,-1.6) 4(0,-2.4) 5(0,-3.2) 6(0,-4) 7(0,-4.8) 8(0,-5.6) 9(0,-6.4) 10(0,-7.2) 11(0,-8) 12(0,-8.8) 13(0,-9.6) 14(0,-10.4) 15(0,-11.2) 16(0,-12) 17(0,-12.8) 18(0,-13.6) 19(0,-14.4) 20(0,-15.2) 21(0,-16) 22(0,-16.8) 23(0,-17.6) 24(0,-18.4) 25(0,-19.2) 26(0,-20) 27(0,-20.8) 28(12,-20.8) 29(12,-20) 30(12,-19.2) 31(12,-18.4) 32(12,-17.6) 33(12,-16.8) 34(12,-16) 35(12,-15.2) 36(12,-14.4) 37(12,-13.6) 38(12,-12.8) 39(12,-12) 40(12,-11.2) 41(12,-10.4) 42(12,-9.6) 43(12,-8.8) 44(12,-8) 45(12,-7.2) 46(12,-6.4) 47(12,-5.6) 48(12,-4.8) 49(12,-4) 50(12,-3.2) 51(12,-2.4) 52(12,-1.6) 53(12,-0.8) 54(12,0)
  silkscreen extent 1.83,-21.2 10.16,0.4
"TSW SMD-3*6*2.5" [mm] "3*6*2.5mm"
  rect 2x1.5 smd: 1(-3.996,-0.02) 2(3.937,0)
  silkscreen extent -3.21,-1.9 3.09,1.9, body extent -4,-1.88 4,1.62, height 2.59
USB-MINI-A [mm] "MINI型USB，7.9*7.5*4.1mm"
  rect 0.5x2.3 smd: 1(-1.6,3.108) 2(-0.8,3.108) 3(0,3.108) 4(0.8,3.108) 5(1.6,3.108)
  rect 2x2.5 smd: 5(-4.45,-3) 5(-4.45,2.5) 5(4.45,-3) 5(4.45,2.5)
  round 0.6 hole 0.9 unplated: MH1(2.2,0) MH2(-2.2,0)
  silkscreen extent -4.95,-5.95 4.95,4.89, body extent -4.75,-6 4.75,3.7, height 3.95
WSON8 [mm]
  rect 1x0.45 smd: 1(-3.975,1.905) 2(-3.975,0.635) 3(-3.975,-0.635) 4(-3.975,-1.905) 5(3.975,-1.905) 6(3.975,-0.635) 7(3.975,0.635) 8(3.975,1.905)
  rect 3.5x4.4 smd: 9(0,0)
  silkscreen extent -4.8,-3.05 4.1,3.05

## Part data
AUX MIC1 PHONE: library part PHONE_M
C1 C2 C3 C4 C5 C6 C7 C8 C9 C10 C11 C12 C13 C14 C15 C16 C17 C18 C19 C20 C21 C22 C23 C24 C25 C26 C27 C28 C29 C30 C31 C32 C33 C34 C36 C38 C39 C40 C41 C42 C43 C44 C45 C46 C47 C48 C49 C50 C51 C52 C55 C56 C57 C58 C59 C60 C61 C62 C63 C64 C65 C66 C67 C68 C69 C70 C71 C72 C73 C74 C75 C76 C77 C78 C79 C80 C81 C82 C83 C84 R66: library part C
C35 C53 C54: library part CAP
D1: library part D
DS0 DS1 PWR: library part LED2, "Typical RED, GREEN, YELLOW, AMBER GaAs LED"
J1: library part FPC-40, "FPC-40P-0.5mm"
L2 L3 L4 L5 L6: library part L
LCD1: library part TFT_LCD2
M1: "OV5640模组,AF,FPC"
MOS1: library part MOS-N, "AP2306"
P4: library part "Header 2X2", "Header, 2-Pin, Dual row"
P10: "Header, 4-Pin"
PA2 PA3 SPK+ SPK-: library part TEST-POINT, "测试点"
POWER: "拨动开关SS-12F44"
R1 R2 R3 R4 R5 R8 R9 R10 R11 R12 R13 R14 R15 R16 R17 R18 R19 R20 R21 R22 R28 R29 R30 R31 R32 R33 R34 R35 R36 R37 R38 R39 R40 R41: library part R
TF_CARD: "SD,MICRO,TF"
U2: "24bit ADC&DAC"
U3: library part 24C256
U4: library part W25Q128, "W25Q128"
U5 U8 U9: library part XC6206, "LDO,SOT23,1.2~5.0V"
U6: library part DHT11, "数字温湿度传感器"
U10: library part K9F2G08U0C, "256MB NAND FLASH"
U11: library part IS42S16160B, "32MB SDRAM"
U12: library part AMS1117
U14: "USB2UART"
USB_232 USB_SLAVE: library part USB5
Y1 Y2 Y3: library part XTAL, "Crystal Oscillator"
Y5: library part XTAL_S, "有源晶振"

## Via types
v1: diameter 27.56, hole 15.75, Top Layer to Bottom Layer, 9 vias
v2: diameter 122.05, hole 122.05, Top Layer to Bottom Layer, 6 vias

## Nets (pads, with @x,y where several pads share a name; then routed paths per layer and width w, separated by ;. In a path a pad name is that pad's centre, name@x,y a point inside that pad or via, vN(x,y) a via of type N, cw(c..) or ccw(c..) an arc to the next point about the centre after c; other vN are vias at no path point)
AF_AVDD: C74.2 C75.2 L3.1 M1.4
AF_DO_VDD: C76.2 C77.2 L4.1 M1.11
AF_VCC: C82.2 C83.2 M1.24 U8.2
AGND: AUX.3 C51.2 C52.2 C67.1 C68.1 MIC1.3 PHONE.3 R31.2 R34.1 R35.1 R66.1 U2.28
BOOT0: R8.1 U1.166
CH340_RXD: P4.4 U14.3
CH340_TXD: P4.2 U14.2
DHT11: R36.2 U1.7 U6.2
FMC_A0: U1.16 U11.23
FMC_A1: U1.17 U11.24
FMC_A2: U1.18 U11.25
FMC_A3: U1.19 U11.26
FMC_A4: U1.20 U11.29
FMC_A5: U1.21 U11.30
FMC_A6: U1.60 U11.31
FMC_A7: U1.63 U11.32
FMC_A8: U1.64 U11.33
FMC_A9: U1.65 U11.34
FMC_A10: U1.66 U11.22
FMC_A11: U1.67 U11.35
FMC_A12: U1.106 U11.36
FMC_A16_CLE: U1.99 U10.16
FMC_A17_ALE: U1.100 U10.17
FMC_A18: LCD1.2 U1.101
FMC_BA0: U1.108 U11.20
FMC_BA1: U1.109 U11.21
FMC_CD: U1.27 U4.2
FMC_CLK: M1.16 U1.145
FMC_D0: LCD1.6 U1.104 U10.29 U11.2
FMC_D1: LCD1.7 U1.105 U10.30 U11.4
FMC_D2: LCD1.8 U1.142 U10.31 U11.5
FMC_D3: LCD1.9 U1.143 U10.32 U11.7
FMC_D4: LCD1.10 U1.68 U10.41 U11.8
FMC_D5: LCD1.11 U1.69 U10.42 U11.10
FMC_D6: LCD1.12 U1.70 U10.43 U11.11
FMC_D7: LCD1.13 U1.73 U10.44 U11.13
FMC_D8: LCD1.14 U1.74 U11.42
FMC_D9: LCD1.15 U1.75 U11.44
FMC_D10: LCD1.16 U1.76 U11.45
FMC_D11: LCD1.17 U1.77 U11.47
FMC_D12: LCD1.18 U1.78 U11.48
FMC_D13: LCD1.19 U1.96 U11.50
FMC_D14: LCD1.20 U1.97 U11.51
FMC_D15: LCD1.21 U1.98 U11.53
FMC_INT2: J1.10 U1.110
FMC_INT3: J1.30 U1.111
FMC_INTR: J1.33 U1.28
FMC_NBL0: U1.169 U11.15
FMC_NBL1: U1.170 U11.39
FMC_NCE2: LCD1.1 U1.151
FMC_NCE3: R22.2 U1.152 U10.9
FMC_NCE4_1: U1.153
FMC_NCE4_2: J1.24 U1.154
FMC_NE4: U1.155
FMC_NIORD: U1.24 U4.3
FMC_NIOWR: U1.26 U4.5
FMC_NOE: LCD1.4 U1.146 U10.8
FMC_NREG: U1.25 U4.7
FMC_NWAIT: U1.150 U10.7
FMC_NWE: LCD1.3 U1.147 U10.18
FMC_SDCKE0: U1.35 U11.37
FMC_SDCKE1: U1.163
FMC_SDCLK: U1.112 U11.38
FMC_SDNCAS: U1.160 U11.17
FMC_SDNE0: U1.34 U11.19
FMC_SDNRAS: U1.59 U11.18
FMC_SDNWE: U1.32 U11.16
GND: C1.2 C2.2 C3.1 C4.1 C5.1 C6.1 C7.1 C8.1 C9.1 C10.1 C11.1 C12.1 C13.1 C14.1 C15.1 C16.1 C17.1 C18.1 C19.1 C20.1 C21.1 C22.1 C23.1 C24.1 C25.1 C26.1 C27.1 C28.1 C29.1 C30.2 C31.2 C32.2 C33.1 C34.1 C35.2 C36.2 C38.2 C39.2 C40.1 C41.1 C42.1 C43.1 C44.1 C45.1 C46.1 C47.1 C48.1 C49.2 C50.1 C55.1 C56.1 C57.1 C58.1 C69.1 C70.1 C71.1 C72.1 C73.1 C74.1 C75.1 C76.1 C77.1 C78.1 C79.1 C80.1 C81.1 C82.1 C83.1 C84.2 J1.3 J1.4 J1.5 J1.11 J1.12 J1.13 J1.20 J1.21 J1.22 J1.23 J1.29 LCD1.22 LCD1.26 LCD1.27 M1.2 M1.15 M1.23 M1.25 M1.26 MOS1.2 P10.1 PWR.2 R1.2 R8.2 R9.2 R28.1 R31.1 R32.1 R41.1 RST.2 TF_CARD.6 U1.14 U1.22 U1.37 U1.61 U1.71 U1.90 U1.102 U1.113 U1.126 U1.135 U1.148 U1.158 U2.12 U2.24 U2.33 U3.1 U3.2 U3.3 U3.4 U3.7 U4.4 U5.1 U6.3 U6.4 U8.1 U9.1 U10.13 U10.36 U11.6 U11.12 U11.28 U11.41 U11.46 U11.52 U11.54 U12.1 U14.1 USB_232.5 USB_SLAVE.5 Y5.2
  other v1: 2252.76,2652.76 2300,2652.76 2347.24,2652.76 2252.76,2700 2300,2700 2347.24,2700 2252.76,2747.24 2300,2747.24 2347.24,2747.24
IIC1_SCL: M1.12 U1.168
IIC1_SDA: M1.14 U1.167
IIC_SCL: U1.45 U2.16 U3.6
IIC_SDA: U1.46 U2.17 U3.5
JTCK: P10.2 R9.1 U1.137
JTDO: P10.3 R10.1
JTMS: P10.4 R11.1 U1.124
LCD_B4: J1.25 U1.173
LCD_B5: J1.26 U1.174
LCD_B6: J1.27 U1.175
LCD_B7: J1.28 U1.176
LCD_BL: J1.34 LCD1.23 R28.2 U1.56
LCD_G2: J1.14 M1.8 U1.128
LCD_G3: J1.15 M1.6 U1.129
LCD_G4: J1.16 U1.130
LCD_G5: J1.17 U1.131
LCD_G6: J1.18 U1.132
LCD_G7: J1.19 U1.133
LCD_HSYNC: J1.31 U1.12
LCD_R3: J1.6 U1.86
LCD_R4: J1.7 U1.87
LCD_R5: J1.8 U1.88
LCD_R6: J1.9 U1.89
LCD_RESET: C5.2 J1.40 LCD1.5 R2.2 RST.1 U1.31
LCD_VSYNC: J1.32 U1.11
LED0: DS0.2 U1.107
LED1: DS1.2 U1.134
NetAUX_1: AUX.1 C66.2
NetAUX_2: AUX.2 C65.2
NetC6_2: C6.2 U1.81
NetC7_2: C7.2 U1.125
NetC8_2: C8.2 D1.2 U1.6
NetC9_2: C9.2 C10.2 R3.2 U1.38
NetC11_2: C11.2 C12.2 R3.1 R4.1 U1.39
NetC28_2: C28.2 U14.4
NetC29_2: C29.2 U14.7 Y3.1
NetC30_1: C30.1 U14.8 Y3.2
NetC40_2: C40.2 C41.2 R20.1 U10.12 U10.37
NetC53_1: C53.1 U2.29
NetC53_2: C53.2 PHONE.2
NetC54_1: C54.1 U2.30
NetC54_2: C54.2 PHONE.1
NetC55_2: C55.2 C56.2 R29.1 U2.26
NetC57_2: C57.2 C58.2 R30.2 U2.13 U2.14
NetC59_1: C59.1 U2.3
NetC59_2: C59.2 MIC1.2
NetC60_1: C60.1 U2.6
NetC60_2: C60.2 MIC1.1
NetC61_1: C61.1 U2.1
NetC61_2: C61.2 C63.2 MIC.2 R33.2 R34.2 R66.2
NetC62_1: C62.1 U2.2
NetC62_2: C62.2 C64.2 MIC.1 R35.2
NetC63_1: C63.1 U2.4
NetC64_1: C64.1 U2.5
NetC65_1: C65.1 U2.19
NetC66_1: C66.1 U2.20
NetC67_2: C67.2 U2.27
NetC68_2: C68.2 R33.1 U2.32
NetC70_2: C70.2 L2.1 Y5.4
NetC78_2: C78.2 L5.2 U5.3
NetDS0_1: DS0.1 R37.1
NetDS1_1: DS1.1 R38.1
NetL6_1: L6.1 U5.2
NetLED5_2: LED5.2 MOS1.3
NetPWR_1: PWR.1 R39.1
NetR1_1: R1.1 U1.48
NetR5_1: R5.1 U1.171
NetR12_1: R12.1 USB_SLAVE.2
NetR13_1: R13.1 R14.1 USB_SLAVE.3
NetR21_1: R21.1 U10.19
NetR32_2: R32.2 U2.18
NetSPK+_1: SPK+.1 U2.25
NetSPK-_1: SPK-.1 U2.23
NetU14_5: U14.5 USB_232.3
NetU14_6: U14.6 USB_232.2
OV_D0: M1.19 U1.115
OV_D1: M1.21 U1.116
OV_D2: M1.22 R15.1 TF_CARD.7 U1.117
OV_D3: M1.20 R19.1 TF_CARD.8 U1.118
OV_D4: M1.18 R17.1 TF_CARD.2 U1.140
OV_HREF: M1.9 U1.85
OV_PCLK: M1.17 U1.52
OV_SCL: M1.5 U1.162
OV_SCLK: M1.13 Y5.3
OV_SDA: M1.3 U1.161
OV_STROBE: M1.1 MOS1.1 R41.2
OV_VSYNC: M1.7 U1.165
PA0: U1.40
PA1: R40.1 U1.41
PA2: PA2.1 U1.42
PA3: PA3.1 U1.47
PA4: J1.36 LCD1.30 U1.50
PA5: J1.37 LCD1.29 U1.51
PA7: J1.39 LCD1.31 U1.53
PA8: U1.119
PA9: P4.3 U1.120
PA10: P4.1 U1.121
PA11: R12.2 U1.122
PA12: R14.2 U1.123
PA15: U1.138
PB1: U1.57
PB2: U1.58 U4.6
PB6: U1.164 U4.1
PB10: U1.79
PB11: U1.80
PB12: U1.92
PB13: U1.93
PB14: U1.94
PB15: U1.95
PC1: U1.33
PC4: J1.38 LCD1.34 U1.54
PC5: J1.35 LCD1.33 U1.55
PC10: R18.1 TF_CARD.1 U1.139
PC12: TF_CARD.5 U1.141
PC13: U1.8
PC14: C3.2 U1.9 Y2.2
PC15: C4.2 U1.10 Y2.1
PD2: R16.1 TF_CARD.3 U1.144
PE2: U1.1 U2.11
PE3: U1.2 U2.9
PE4: U1.3 U2.7
PE5: U1.4 U2.8
PE6: U1.5 U2.10
PG13: U1.156
PG14: U1.157
PH0: C1.1 U1.29 Y1.2
PH1: C2.1 U1.30 Y1.1
PH2: U1.43
PH3: U1.44
PH6: U1.83
PH7: U1.84
PI11: U1.13
VCC1.5: C79.2 C80.2 C84.1 L6.2 M1.10
VCC2.8: C72.2 C73.2 L3.2 L4.2 L5.1 U9.2
VCC3.3: C13.2 C14.2 C15.2 C16.2 C17.2 C18.2 C19.2 C20.2 C21.2 C22.2 C23.2 C24.2 C25.2 C26.2 C27.2 C34.2 C35.1 C36.1 C38.1 C39.1 C42.2 C43.2 C44.2 C45.2 C46.2 C47.2 C48.2 C49.1 C51.1 C52.1 C69.2 C71.2 C81.2 D1.1 L2.2 LCD1.24 LCD1.25 LED5.1 R2.1 R4.2 R5.2 R10.2 R11.2 R13.2 R15.2 R16.2 R17.2 R18.2 R19.2 R20.2 R21.2 R22.1 R36.1 R37.2 R38.2 R39.2 R40.2 TF_CARD.4 U1.15 U1.23 U1.36 U1.49 U1.62 U1.72 U1.82 U1.91 U1.103 U1.114 U1.127 U1.136 U1.149 U1.159 U1.172 U2.31 U3.8 U4.8 U6.1 U8.3 U9.3 U11.1 U11.3 U11.9 U11.14 U11.27 U11.43 U11.49 U12.2 U12.4
VCC5: C31.1 C32.1 C33.2 C50.2 J1.1 J1.2 LCD1.28 POWER.1 R29.2 U12.3 U14.16
VUSB: POWER.2 USB_232.1 USB_SLAVE.1
pads on no net: AUX.0 J1.A J1.B LCD1.32 M1.27 MIC1.0 PHONE.0 POWER.3 POWER.4 POWER.5 R30.1 TF_CARD.0 TF_CARD.9 U2.15 U2.21 U2.22 U4.9 U10.1 U10.2 U10.3 U10.4 U10.5 U10.6 U10.10 U10.11 U10.14 U10.15 U10.20 U10.21 U10.22 U10.23 U10.24 U10.25 U10.26 U10.27 U10.28 U10.33 U10.34 U10.35 U10.38 U10.39 U10.40 U10.45 U10.46 U10.47 U10.48 U11.40 U14.9 U14.10 U14.11 U14.12 U14.13 U14.14 U14.15 USB_232.4 USB_232.MH1 USB_232.MH2 USB_SLAVE.4 USB_SLAVE.MH1 USB_SLAVE.MH2 Y5.1
copper on no net:
  other v2: 1125.2,1113.19 1968.35,1235.43 2505.95,1325.2 2505.95,3080.2 1968.35,3150 1125.2,3280.51

## Text inside footprints (layer, text, board x,y; h text height)
J1: Top Overlay "1" at 1355,2216 h24 r90; Top Overlay "40" at 1361,2962 h24 r90
LCD1: Top Overlay "2" at 5520.24,3100.08 h40 r270; Top Overlay "1" at 5420.24,3090.08 h40 r270; Top Overlay "33" at 5420.24,1328.23 h40 r270; Top Overlay "34" at 5520.24,1328.23 h40 r270
P4: Top Overlay "1" at 6915,5155 h24; Top Overlay "2" at 6905,5255 h24; Top Overlay "4" at 7165,5255 h24; Top Overlay "3" at 7165,5155 h24
TF_CARD: Bottom Overlay "1" at 3916,2836 h24 r180; Bottom Overlay "2" at 3873,2835 h24 r180; Bottom Overlay "3" at 3831,2835 h24 r180; Bottom Overlay "4" at 3784,2835 h24 r180; Bottom Overlay "5" at 3742,2834 h24 r180; Bottom Overlay "6" at 3700,2834 h24 r180; Bottom Overlay "7" at 3658,2834 h24 r180; Bottom Overlay "8" at 3614,2833 h24 r180; Bottom Overlay "Cd" at 3561,2811 h24 r270
U12: Top Overlay "1" at 6749.03,1282.94 h24